# KiCad board TRS80_Model_I_Jap20_E1.kicad_pcb (continued)
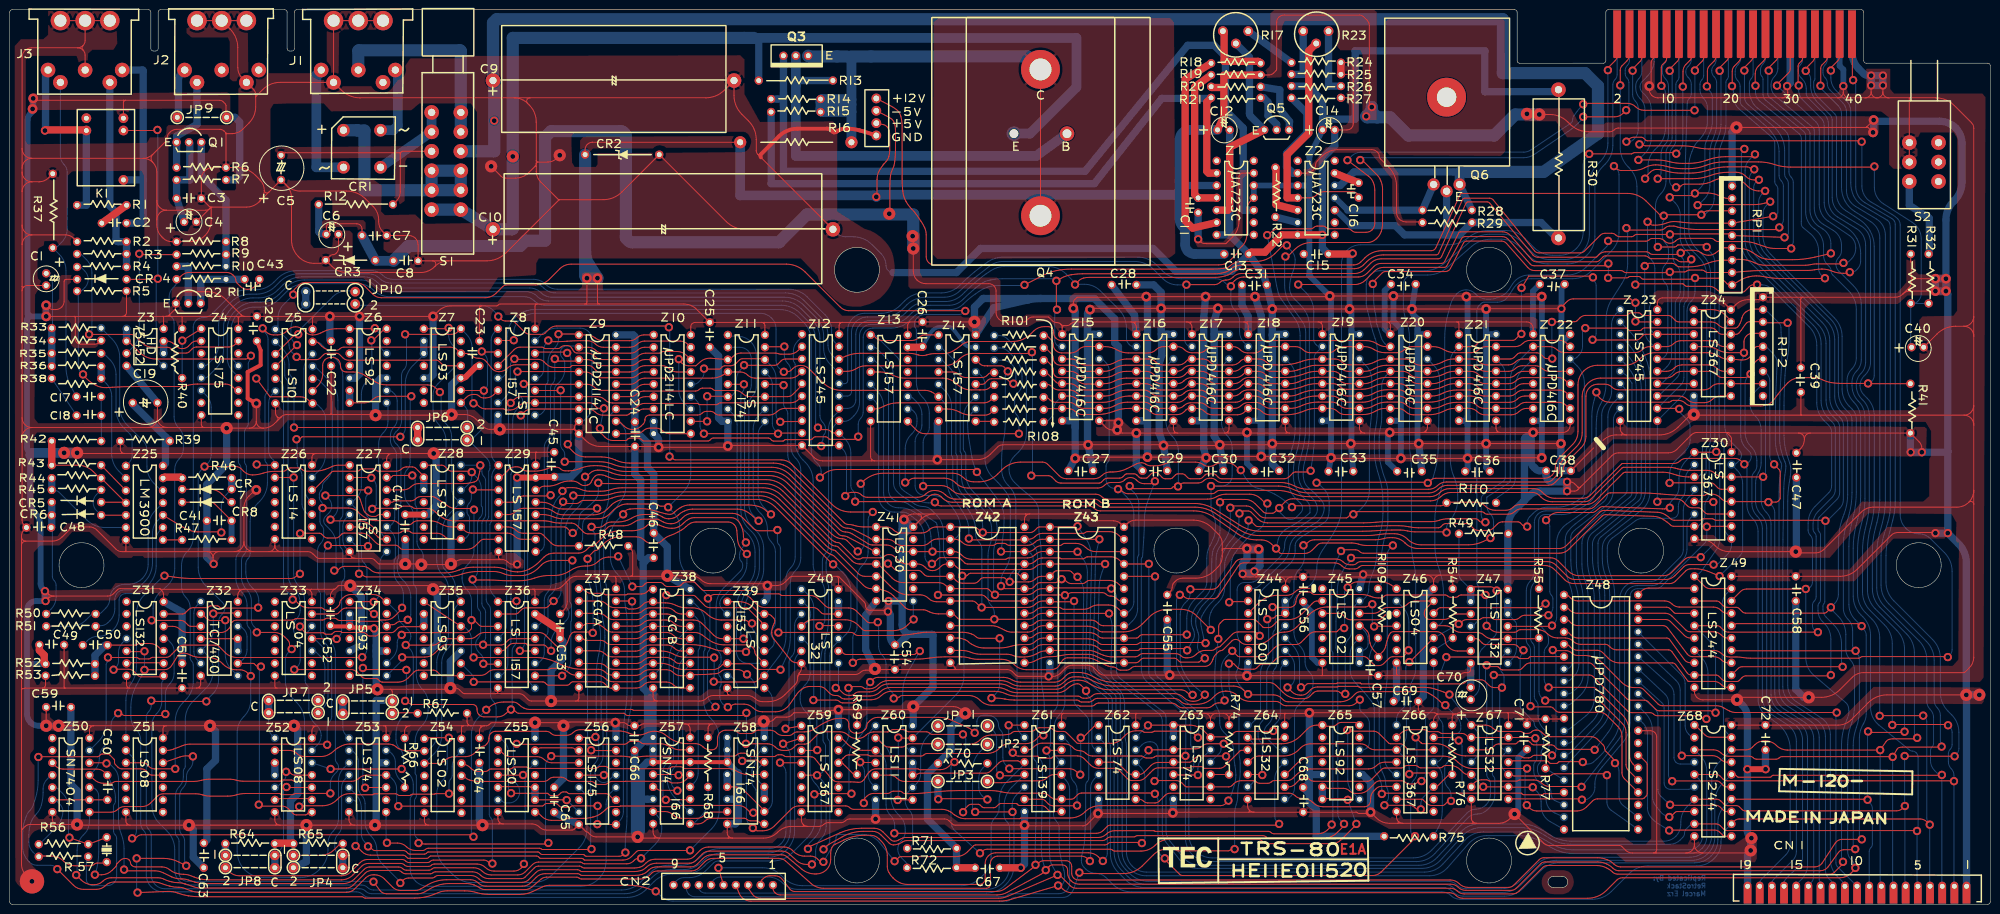
[diagram p0: board, top side]
## Routing (per net, layer and track width the routed paths; a pad name or vN(x,y) marks a point on that pad's centre or on a via; arc(x,y) is an arc through that point) (continued)
/Keyboard/KBD1: length 364.1
  Top w0.2: v2(316.99,112.24) 315.87,112.24 arc(315.57,112.3) 315.31,112.46 314.72,113.06 arc(314.31,113.33) 313.83,113.43 310.49,113.43 arc(310.11,113.35) 309.79,113.14 309.15,112.5 arc(308.77,112.25) 308.33,112.16 Z21.14 ; v2(245.74,53.71) 245.68,53.78 arc(245.61,53.83) 245.53,53.84 232.47,53.84 arc(232.2,53.79) 231.98,53.64 arc(231.75,53.49) 231.49,53.44 224.6,53.44 arc(224.14,53.53) 223.75,53.78 arc(223.38,54.09) 222.95,54.32 222.83,54.37 arc(222.24,54.54) 221.62,54.6 214,54.6 arc(213.9,54.62) 213.82,54.68 arc(213.73,54.74) 213.63,54.76 212.4,54.76 arc(211.53,54.58) 210.78,54.08 arc(210.03,53.58) 209.15,53.41 208.07,53.41 arc(206.89,53.32) 205.74,53.07 arc(204.58,52.81) 203.4,52.72 200.17,52.72 arc(199.16,52.85) 198.22,53.21 197.66,53.5 arc(197.32,53.71) 197.02,53.97 arc(196.71,54.23) 196.36,54.41 196.09,54.51 arc(195.44,54.69) 194.76,54.76 Z42.10 ; v2(303.25,78.58) 302.5,78.58 arc(302.25,78.63) 302.04,78.77 301.69,79.13 arc(301.5,79.25) 301.29,79.29 295.56,79.29 arc(294.69,79.22) 293.84,79 arc(292.99,78.78) 292.11,78.71 283.26,78.71 arc(282,78.68) 280.75,78.58 arc(279.5,78.49) 278.24,78.45 258.44,78.45 arc(257.39,78.66) 256.49,79.26 255.13,80.62 arc(254.83,80.82) 254.48,80.89 253.57,80.89 arc(253.24,80.83) 252.96,80.64 v2(252.7,80.38) ; v2(316.91,119.78) 318.71,119.78 arc(318.74,119.79) 318.77,119.81 arc(318.8,119.82) 318.83,119.83 321.64,119.83 arc(321.87,119.88) 322.07,120.01 322.72,120.66 arc(323.24,121) 323.85,121.13 332.29,121.13 arc(332.38,121.14) 332.45,121.19 332.71,121.46 arc(332.94,121.61) 333.2,121.66 334.78,121.66 arc(334.96,121.62) 335.11,121.52 335.39,121.24 arc(335.55,121.14) 335.73,121.1 340.81,121.1 arc(341.24,121.01) 341.6,120.77 342.26,120.11 arc(342.63,119.87) 343.06,119.78 Z24.2 349.65,119.78 arc(350.48,119.61) 351.18,119.14 arc(351.88,118.68) 352.71,118.51 354.56,118.51 arc(354.84,118.57) 355.08,118.73 arc(355.27,118.96) 355.44,119.21 355.55,119.42 arc(355.77,119.92) 355.93,120.44 355.99,120.67 arc(356.3,121.35) 356.83,121.88 356.91,121.93 arc(357.67,122.29) 358.51,122.42 360.12,122.42 arc(360.19,122.41) 360.25,122.37 RP2.2
  Bottom w0.2: v2(316.91,119.78) 316.91,112.37 arc(316.92,112.32) 316.95,112.27 v2(316.99,112.24) ; RP2.2 360.55,122.32 arc(360.79,122.27) 360.98,122.14 363.62,119.5 arc(363.89,119.11) 363.98,118.64 arc(363.99,118.13) 364.01,117.62 364.11,115.51 arc(364.17,113.18) 364.1,110.84 363.86,106.37 arc(363.76,104.03) 363.73,101.69 363.73,95.65 arc(363.83,94.27) 364.13,92.92 364.37,92.12 arc(364.55,91.59) 364.76,91.08 364.81,90.97 arc(364.95,90.56) 365,90.13 arc(364.98,89.68) 364.93,89.24 364.79,88.28 arc(364.63,86.88) 364.56,85.48 364.4,75.01 arc(364.37,72.66) 364.36,70.32 364.36,44.77 arc(364.85,42.82) 366.2,41.34 371.29,37.94 arc(372.64,36.46) 373.12,34.52 373.12,7.05 arc(373.32,6.07) 373.87,5.24 374.34,4.77 arc(374.55,4.46) 374.62,4.1 CN1.12 ; v2(245.74,53.71) 245.74,53.98 arc(245.69,54.23) 245.55,54.44 245.41,54.58 arc(245.37,54.63) 245.36,54.69 arc(245.36,54.76) 245.35,54.82 244.85,57.12 arc(244.76,57.68) 244.73,58.25 arc(244.8,58.8) 245,59.32 245.36,59.96 arc(246.07,61.05) 246.92,62.03 247.75,62.86 arc(248.17,63.36) 248.51,63.93 arc(248.72,64.55) 248.79,65.2 248.79,70.36 arc(248.92,71.36) 249.3,72.29 250.13,73.77 arc(250.48,74.29) 250.89,74.76 arc(251.3,75.23) 251.64,75.75 251.97,76.35 arc(252.44,77.53) 252.6,78.8 252.6,80.21 arc(252.61,80.28) 252.65,80.33 v2(252.7,80.38) ; v2(303.25,78.58) 303.25,78.62 arc(303.24,78.65) 303.22,78.68 302.82,79.09 arc(302.5,79.57) 302.38,80.13 302.38,83.34 arc(302.52,83.89) 302.9,84.31 306.88,86.96 arc(307.22,87.33) 307.34,87.82 307.34,108.91 arc(307.09,110.15) 306.39,111.21 Z21.14
/Keyboard/KBD2: length 361.2
  Top w0.2: RP2.5 360.27,114.73 arc(360.24,114.74) 360.21,114.75 359.33,114.75 arc(358.86,114.66) 358.47,114.4 358.44,114.37 arc(358.2,114) 358.11,113.57 arc(358.03,113.14) 357.78,112.77 357.52,112.5 arc(357.14,112.22) 356.7,112.03 arc(356.23,111.95) 355.75,111.95 354.07,112.12 arc(353.69,112.15) 353.31,112.16 352.93,112.16 arc(352.2,112.26) 351.52,112.57 351.14,112.81 arc(350.06,113.29) 348.9,113.46 338.08,113.46 arc(336.38,113.12) 334.95,112.16 arc(333.51,111.2) 331.82,110.86 326.31,110.86 arc(324.76,110.56) 323.45,109.68 arc(322.58,108.38) 322.27,106.83 322.27,97.22 arc(321.99,95.79) 321.18,94.59 318.36,91.76 arc(317.82,90.95) 317.62,89.99 317.62,89.88 arc(317.45,89.02) 316.96,88.28 arc(316.23,87.8) 315.37,87.62 293.06,87.62 arc(292.43,87.5) 291.89,87.14 v2(291.41,86.66) 291.34,86.73 arc(291.25,86.79) 291.15,86.81 268.73,86.81 arc(268.66,86.8) 268.6,86.76 v2(268.55,86.71) ; Z42.11 195.56,52.22 arc(196.57,52.12) 197.55,51.82 arc(198.52,51.53) 199.53,51.43 204.92,51.43 arc(205.6,51.36) 206.25,51.15 arc(206.9,50.94) 207.57,50.87 208.5,50.87 arc(209.76,51.03) 210.94,51.49 211.41,51.74 arc(212.11,52.02) 212.86,52.11 213.57,52.11 arc(213.63,52.13) 213.69,52.17 arc(213.74,52.2) 213.81,52.22 221.66,52.22 arc(222.48,52.12) 223.26,51.86 arc(224.03,51.51) 224.82,51.21 224.85,51.19 arc(225.69,50.97) 226.56,50.9 231.28,50.9 arc(231.71,50.98) 232.08,51.23 arc(232.44,51.47) 232.87,51.56 239.62,51.56 arc(240.18,51.44) 240.66,51.12 arc(241.14,50.8) 241.71,50.69 242.1,50.69 arc(243.03,50.88) 243.81,51.4 243.86,51.45 arc(244.71,52.02) 245.7,52.22 246.93,52.22 arc(247.38,52.31) 247.76,52.56 247.93,52.72 arc(248.12,52.86) 248.36,52.9 arc(248.59,52.95) 248.79,53.08 251.23,55.52 arc(251.79,55.89) 252.45,56.03 255.78,56.03 arc(255.96,55.99) 256.12,55.89 256.25,55.76 arc(256.26,55.75) 256.26,55.73 arc(256.26,55.72) 256.27,55.71 256.73,55.25 arc(256.77,55.22) 256.82,55.21 v2(256.87,55.21)
  Bottom w0.2: v2(291.41,86.66) 291.88,86.96 arc(292.27,87.33) 292.5,87.81 292.92,89.3 arc(293.36,91.35) 293.54,93.44 293.84,107.82 arc(293.54,109.48) 292.61,110.89 Z20.14 ; v2(256.87,55.21) 256.77,55.31 arc(256.69,55.43) 256.66,55.56 256.66,62.02 arc(256.73,62.87) 256.93,63.7 arc(257.28,64.46) 257.82,65.11 262.92,69.86 arc(263.83,71.15) 264.16,72.71 264.16,73.76 arc(264.27,74.36) 264.6,74.87 arc(265.07,75.3) 265.59,75.67 270.03,78.45 arc(270.57,78.93) 270.91,79.56 arc(271.08,80.29) 271.14,81.04 271.14,82.68 arc(270.84,84.22) 269.96,85.53 268.86,86.63 arc(268.77,86.69) 268.67,86.71 v2(268.55,86.71) ; CN1.13 372.12,4.39 arc(372.09,4.56) 371.99,4.71 arc(371.89,4.86) 371.85,5.03 371.85,34.26 arc(371.37,36.21) 370.02,37.68 365.44,40.71 arc(364.09,42.19) 363.6,44.13 363.6,84.86 arc(363.67,86.75) 363.89,88.64 364.12,90.06 arc(364.11,90.51) 363.96,90.93 arc(363.75,91.34) 363.58,91.77 363.28,92.67 arc(362.95,94.02) 362.84,95.4 362.84,100.55 arc(362.86,102.89) 362.94,105.23 363.19,111.34 arc(363.15,111.89) 362.96,112.41 arc(362.67,112.9) 362.31,113.32 361.16,114.48 arc(360.91,114.64) 360.61,114.7 RP2.5
/Keyboard/KBD3: length 334.5
  Top w0.2: v2(250.82,81.55) 251.01,81.74 arc(251.22,81.88) 251.47,81.93 254.16,81.93 arc(254.83,81.8) 255.4,81.42 256.86,79.97 arc(257.4,79.6) 258.05,79.47 274.65,79.47 arc(274.81,79.5) 274.95,79.6 275.37,80.01 arc(275.58,80.16) 275.84,80.21 v2(276.12,80.21) 276.4,80.49 arc(276.71,80.69) 277.08,80.77 302.36,80.77 arc(302.71,80.7) 303.01,80.5 arc(303.3,80.3) 303.65,80.23 307.96,80.23 arc(308.68,80.37) 309.28,80.78 arc(309.89,81.18) 310.6,81.32 324.51,81.32 arc(325.14,81.45) 325.68,81.81 328.17,84.31 arc(328.53,84.54) 328.95,84.63 334.46,84.63 arc(336.8,84.57) 339.13,84.41 340.19,84.31 arc(342.52,84.15) 344.86,84.09 348.16,84.09 arc(348.34,84.13) 348.5,84.23 arc(348.65,84.34) 348.84,84.37 349.72,84.37 arc(350.72,84.17) 351.56,83.61 351.83,83.34 arc(352.4,82.96) 353.08,82.82 361.24,82.82 arc(361.31,82.81) 361.36,82.77 v2(361.41,82.72) 362.97,82.72 arc(363.2,82.77) 363.4,82.9 363.7,83.2 arc(363.79,83.34) 363.83,83.51 363.83,88.93 arc(363.78,89.18) 363.64,89.39 362.6,90.43 arc(362.59,90.44) 362.58,90.47 v2(362.58,90.49) ; Z42.13 209.23,49.68 arc(209.91,49.76) 210.55,50 211.16,50.31 arc(212.38,50.77) 213.68,50.92 213.96,50.92 arc(215,50.98) 216.03,51.16 arc(217.05,51.34) 218.09,51.4 221.71,51.4 arc(222.48,51.31) 223.2,51.04 arc(223.91,50.69) 224.63,50.38 225.27,50.12 arc(226.46,49.77) 227.7,49.65 228.94,49.65 arc(228.95,49.65) 228.97,49.66 arc(228.98,49.67) 229,49.68 231.45,49.68 arc(231.75,49.74) 232,49.9 232.47,50.37 arc(232.74,50.55) 233.05,50.62 239.28,50.62 arc(239.64,50.54) 239.95,50.34 240.36,49.93 arc(240.5,49.84) 240.66,49.8 244.31,49.8 arc(244.41,49.82) 244.5,49.88 245.07,50.46 arc(245.22,50.56) 245.4,50.59 v2(245.59,50.59)
  Bottom w0.2: v2(361.41,82.72) 362.06,82.07 arc(362.54,81.36) 362.71,80.51 362.71,43.62 arc(363.2,41.69) 364.56,40.22 368.87,37.41 arc(370.22,35.95) 370.71,34.01 370.71,5.74 arc(370.57,5.03) 370.17,4.43 369.69,3.95 arc(369.64,3.88) 369.62,3.79 CN1.14 ; v2(362.58,90.49) 362.58,90.53 arc(362.58,90.57) 362.56,90.6 362.14,91.01 arc(361.81,91.51) 361.69,92.09 361.69,107.67 arc(361.55,108.42) 361.12,109.05 360.64,109.53 arc(360.54,109.6) 360.42,109.62 RP2.7 ; v2(245.59,50.59) 245.59,50.72 arc(245.57,50.83) 245.5,50.93 244.5,51.94 arc(244.2,52.39) 244.09,52.91 arc(244.12,53.48) 244.22,54.04 244.28,54.31 arc(244.35,55.13) 244.19,55.94 244.03,56.4 arc(243.79,57.31) 243.71,58.25 243.71,58.26 arc(243.83,59.17) 244.18,60.01 244.61,60.74 arc(244.85,61.11) 245.13,61.47 arc(245.43,61.8) 245.74,62.12 246.96,63.34 arc(247.39,63.88) 247.68,64.5 arc(247.85,65.18) 247.9,65.87 247.9,70.97 arc(247.97,71.76) 248.16,72.54 arc(248.48,73.26) 248.93,73.91 249.11,74.12 arc(249.75,74.99) 250.27,75.93 250.31,76.03 arc(250.69,77.14) 250.82,78.3 v2(250.82,81.55) ; Z19.14 278.64,110.89 arc(279.58,109.48) 279.91,107.82 279.91,102.9 arc(279.84,100.86) 279.65,98.82 arc(279.46,96.79) 279.4,94.75 279.4,85.11 arc(279.03,83.23) 277.96,81.64 276.67,80.35 arc(276.51,80.24) 276.32,80.21 v2(276.12,80.21)
/Keyboard/KBD4: length 330.9
  Top w0.2: v2(241.96,52.24) 241.78,52.42 arc(241.58,52.55) 241.35,52.6 232.46,52.6 arc(232.37,52.58) 232.28,52.52 232.09,52.33 arc(231.96,52.25) 231.81,52.22 Z43.14 224.71,52.22 arc(224.27,52.3) 223.89,52.55 arc(223.53,52.85) 223.12,53.08 222.97,53.15 arc(222.36,53.34) 221.73,53.41 212.27,53.41 arc(211.49,53.25) 210.83,52.81 arc(210.17,52.37) 209.39,52.22 Z42.14 ; v2(360.32,87.93) 360.31,87.92 arc(360.3,87.91) 360.28,87.9 Z30.14 352.1,87.9 arc(351.23,88.08) 350.48,88.58 arc(349.73,89.07) 348.85,89.25 345.1,89.25 arc(343.92,89.33) 342.77,89.57 342.33,89.69 arc(341.62,89.84) 340.9,89.88 331.67,89.88 arc(331.48,89.85) 331.32,89.74 324.88,83.3 arc(324.33,82.93) 323.67,82.8 316.99,82.8 arc(315.75,83.05) 314.69,83.75 314.32,84.13 arc(313.68,84.55) 312.92,84.7 296.16,84.7 arc(295.04,84.48) 294.08,83.84 arc(293.12,83.2) 291.99,82.98 269.13,82.98 arc(267.5,83.03) 265.88,83.19 264.57,83.37 arc(264.26,83.4) 263.95,83.41 263.64,83.41 arc(262.78,83.24) 262.05,82.75 260.91,81.61 arc(260.89,81.58) 260.88,81.54 v2(260.88,81.5) 260.84,81.5 arc(260.81,81.5) 260.78,81.48 259.93,80.63 arc(259.72,80.48) 259.47,80.44 258.3,80.44 arc(257.92,80.51) 257.59,80.73 255.89,82.43 arc(254.95,83.06) 253.84,83.28 249.71,83.28 arc(249.33,83.2) 249.01,82.99 v2(248.71,82.7)
  Bottom w0.2: v2(241.96,52.24) 243.18,54.39 arc(243.39,54.9) 243.46,55.45 arc(243.4,56.01) 243.22,56.55 243.14,56.72 arc(242.9,57.44) 242.82,58.19 242.82,58.38 arc(242.92,59.31) 243.21,60.2 243.23,60.25 arc(243.72,61.12) 244.36,61.88 245.81,63.33 arc(246.39,64.09) 246.76,64.98 arc(246.95,65.94) 247.01,66.92 247.01,70.37 arc(247.04,71.26) 247.14,72.16 arc(247.36,73.01) 247.77,73.79 247.92,74.01 arc(248.29,74.66) 248.53,75.36 arc(248.67,76.1) 248.71,76.85 v2(248.71,82.7) ; Z18.14 263.14,111.14 arc(263.89,110.02) 264.16,108.69 264.16,98.05 arc(263.98,95.8) 263.46,93.62 arc(262.94,91.43) 262.76,89.19 262.76,87.05 arc(263.14,85.14) 264.22,83.52 265.28,82.47 arc(265.58,82.02) 265.68,81.49 arc(265.58,80.96) 265.28,80.51 264.4,79.63 arc(263.85,79.27) 263.21,79.14 arc(262.56,79.27) 262.01,79.63 261.14,80.51 arc(260.95,80.79) 260.88,81.13 v2(260.88,81.5) ; CN1.15 367.12,3.88 arc(367.15,4.04) 367.25,4.17 368.28,5.21 arc(369.14,6.49) 369.44,8.01 369.44,34.02 arc(368.94,35.94) 367.58,37.38 363.81,39.75 arc(362.44,41.19) 361.95,43.11 361.95,78.21 arc(361.68,79.54) 360.93,80.66 arc(360.18,81.79) 359.92,83.12 359.92,87.23 arc(359.97,87.5) 360.12,87.73 v2(360.32,87.93) 360.56,88.17 arc(360.74,88.44) 360.81,88.75 360.81,103.67 arc(360.74,104) 360.55,104.29 RP2.9
/Keyboard/KBD5: length 337.8
  Top w0.2: RP2.8 Z24.10 351.21,107.08 arc(350.38,106.91) 349.68,106.44 arc(348.98,105.98) 348.15,105.81 330.64,105.81 arc(329.88,105.96) 329.23,106.39 arc(328.59,106.83) 327.82,106.98 326.37,106.98 arc(325.42,106.79) 324.62,106.25 arc(324.09,105.45) 323.9,104.51 323.9,96.28 arc(323.64,94.99) 322.91,93.9 319.88,90.87 arc(319.41,90.17) 319.25,89.35 arc(319.09,88.53) 318.62,87.83 317.53,86.74 arc(316.9,86.32) 316.17,86.18 295.45,86.18 arc(294.42,85.97) 293.55,85.39 arc(292.67,84.81) 291.64,84.6 266.94,84.6 arc(265.34,84.78) 263.83,85.31 arc(262.31,85.84) 260.72,86.02 v2(246.86,86.02) ; Z42.15 209.29,54.76 arc(210,54.9) 210.59,55.29 210.63,55.33 arc(211.27,55.76) 212.02,55.91 221.65,55.91 arc(222.24,55.85) 222.81,55.7 222.88,55.67 arc(223.34,55.45) 223.73,55.12 arc(224.14,54.85) 224.62,54.76 Z43.15 231.57,54.76 arc(231.73,54.79) 231.87,54.88 232.22,55.23 arc(232.46,55.39) 232.74,55.44 241.84,55.44 arc(241.86,55.45) 241.87,55.45 v2(241.88,55.47)
  Bottom w0.2: CN1.16 364.62,4.28 arc(364.73,4.81) 365.03,5.26 367.81,8.04 arc(368.26,8.72) 368.43,9.53 368.43,33.76 arc(367.93,35.69) 366.57,37.14 362.91,39.48 arc(361.55,40.93) 361.06,42.86 361.06,77.4 arc(360.76,78.89) 359.92,80.16 arc(359.07,81.42) 358.77,82.92 358.77,86.67 arc(358.92,87.74) 359.34,88.73 arc(359.77,89.72) 359.92,90.79 359.92,97.59 arc(359.62,99.08) 358.77,100.35 358.66,100.46 arc(357.9,101.6) 357.63,102.95 357.63,103.83 arc(357.74,104.37) 358.04,104.82 RP2.8 ; v2(241.88,55.47) 241.88,58.8 arc(242.3,60.88) 243.48,62.65 245.2,64.37 arc(245.79,65.26) 246,66.3 246,71.13 arc(246.03,71.77) 246.12,72.41 arc(246.3,73.03) 246.56,73.61 246.67,73.81 arc(247.06,74.58) 247.4,75.38 247.43,75.46 arc(247.69,76.36) 247.78,77.3 247.78,78.26 arc(247.66,79.24) 247.32,80.17 arc(246.98,81.1) 246.86,82.08 v2(246.86,86.02) 249.08,86.02 arc(249.89,86.19) 250.58,86.65 arc(251.04,87.33) 251.2,88.15 251.2,93.87 arc(250.92,95.28) 250.12,96.48 arc(249.33,97.67) 249.04,99.08 249.04,109.56 arc(249.24,110.55) 249.81,111.4 Z17.14
/Keyboard/KBD6: length 341.9
  Top w0.2: RP2.6 359.8,112.16 arc(359.34,112.07) 358.96,111.81 358.27,111.12 arc(357.87,110.53) 357.73,109.82 v2(357.73,109.06) 357.38,108.71 arc(356.98,108.44) 356.52,108.35 351.87,108.35 arc(351.42,108.44) 351.04,108.69 350.4,109.33 arc(350.08,109.54) 349.7,109.62 Z24.6 343.68,109.62 arc(342.77,109.44) 342,108.93 arc(341.23,108.41) 340.32,108.23 326.97,108.23 arc(325.5,107.94) 324.26,107.11 arc(323.43,105.87) 323.14,104.4 323.14,96.97 arc(322.83,95.42) 321.95,94.11 319.09,91.25 arc(318.61,90.52) 318.44,89.67 arc(318.27,88.81) 317.78,88.09 316.99,87.29 arc(316.51,86.97) 315.95,86.86 295.22,86.86 arc(294.24,86.67) 293.41,86.11 arc(292.58,85.56) 291.6,85.36 266.81,85.36 arc(265.34,85.54) 263.97,86.06 arc(262.59,86.58) 261.13,86.76 249,86.76 arc(248.43,86.87) 247.95,87.19 arc(247.47,87.51) 246.91,87.62 246.55,87.62 arc(245.92,87.5) 245.39,87.14 arc(244.85,86.78) 244.22,86.66 241.29,86.66 arc(240.83,86.57) 240.43,86.3 v2(240.08,85.95) 239.29,85.95 arc(239.17,85.92) 239.08,85.86 238.85,85.63 arc(238.69,85.53) 238.51,85.49 231.06,85.49 arc(230.71,85.56) 230.41,85.76 v2(230.15,86.02) ; Z43.16 224.77,57.3 arc(224.22,57.4) 223.76,57.72 223.61,57.86 arc(223.32,58.1) 222.98,58.29 arc(222.62,58.41) 222.24,58.45 212.12,58.45 arc(211.37,58.3) 210.73,57.87 210.73,57.87 arc(210.1,57.45) 209.34,57.3 Z42.16
  Bottom w0.2: v2(240.08,85.95) 240.12,85.99 arc(240.15,86.03) 240.16,86.08 240.16,93.22 arc(239.82,94.88) 238.88,96.28 arc(237.95,97.69) 237.62,99.35 237.62,109.56 arc(237.81,110.55) 238.38,111.4 Z16.14 ; Z43.16 229.36,57.3 arc(229.71,57.37) 230.01,57.57 230.76,58.31 arc(231.51,59.44) 231.77,60.76 231.77,71.34 arc(231.81,71.51) 231.9,71.65 arc(231.99,71.79) 232.03,71.95 232.03,82.38 arc(231.78,83.61) 231.09,84.65 230.3,85.44 arc(230.19,85.61) 230.15,85.81 v2(230.15,86.02) ; v2(357.73,109.06) 357.17,108.5 arc(356.76,107.88) 356.61,107.15 356.61,97.1 arc(356.93,95.53) 357.82,94.19 arc(358.71,92.85) 359.03,91.28 359.03,90.15 arc(358.89,89.48) 358.52,88.92 arc(358.14,88.36) 358.01,87.69 358.01,82.44 arc(358.29,81.03) 359.09,79.84 arc(359.89,78.64) 360.17,77.23 360.17,42.48 arc(360.66,40.54) 362.01,39.07 365.31,36.91 arc(366.66,35.44) 367.15,33.5 367.15,10.8 arc(366.97,9.87) 366.44,9.09 362.5,5.14 arc(362.22,4.72) 362.12,4.23 CN1.17
/Keyboard/KBD7: length 347.9
  Top w0.2: Z24.4 348.64,114.7 arc(349.84,114.54) 350.96,114.08 arc(352.08,113.61) 353.29,113.46 v2(356.39,113.46) 356.39,115.67 arc(356.52,116.35) 356.91,116.92 arc(357.48,117.31) 358.16,117.44 359.95,117.44 arc(360.08,117.42) 360.2,117.34 RP2.4 ; v2(227.76,85.39) 227.99,85.39 arc(228.2,85.35) 228.38,85.23 228.69,84.92 arc(229.21,84.57) 229.82,84.45 247.04,84.45 arc(247.48,84.54) 247.86,84.79 arc(248.24,85.05) 248.69,85.13 260.37,85.13 arc(262.07,84.97) 263.7,84.49 arc(265.33,84) 267.03,83.84 291.87,83.84 arc(292.95,84.05) 293.86,84.66 arc(294.78,85.28) 295.86,85.49 313.24,85.49 arc(314.12,85.31) 314.87,84.82 315.19,84.5 arc(316.28,83.77) 317.58,83.51 323.22,83.51 arc(324.11,83.69) 324.86,84.19 331.22,90.55 arc(331.35,90.64) 331.52,90.67 341.98,90.67 arc(342.66,90.81) 343.24,91.19 arc(343.82,91.58) 344.5,91.71 354.42,91.71 arc(355.2,91.56) 355.86,91.12 v2(356.46,90.52) ; Z42.17 209.37,59.84 arc(210.14,59.99) 210.8,60.43 210.83,60.46 arc(211.52,60.92) 212.33,61.08 215.61,61.08 arc(215.88,61.03) 216.1,60.88 arc(216.33,60.73) 216.59,60.67 220.67,60.67 arc(221.45,60.79) 222.17,61.12 arc(222.89,61.45) 223.67,61.56 225.83,61.56 arc(226.96,61.34) 227.91,60.7 228.7,59.91 arc(228.78,59.85) 228.88,59.84 Z43.17
  Bottom w0.2: v2(356.39,113.46) 356.31,113.38 arc(356.25,113.29) 356.23,113.2 356.23,112.65 arc(356.17,112.31) 355.98,112.03 arc(355.79,111.75) 355.73,111.42 355.73,96.41 arc(356.01,95) 356.8,93.81 357.43,93.18 arc(357.77,92.68) 357.88,92.09 arc(357.77,91.51) 357.43,91.01 357.11,90.69 arc(356.93,90.56) 356.7,90.52 v2(356.46,90.52) 356.73,90.25 arc(356.93,89.96) 357,89.61 357,82.15 arc(357.29,80.66) 358.14,79.39 arc(358.98,78.13) 359.28,76.63 359.28,42.21 arc(359.76,40.25) 361.09,38.73 363.06,37.33 arc(364.25,36.27) 365.14,34.95 arc(365.7,33.45) 365.88,31.87 365.88,12.4 arc(365.64,11.17) 364.94,10.13 360.01,5.19 arc(359.72,4.76) 359.62,4.25 CN1.18 ; Z43.17 229.3,59.84 arc(229.59,59.89) 229.84,60.06 230.31,60.53 arc(230.83,61.31) 231.01,62.22 231.01,80.14 arc(230.61,82.15) 229.47,83.85 228,85.33 arc(227.93,85.37) 227.85,85.39 v2(227.76,85.39) 227.68,85.47 arc(227.59,85.53) 227.48,85.55 226.99,85.55 arc(226.42,85.67) 225.94,85.98 225.84,86.09 arc(225.44,86.69) 225.3,87.4 225.3,90.12 arc(225.38,90.54) 225.61,90.89 arc(225.85,91.24) 225.93,91.65 225.93,109.78 arc(225.75,110.69) 225.23,111.46 224.76,111.94 arc(224.51,112.1) 224.22,112.16 Z15.14
/Video/Video Access Multiplexer/C0: length 83.2
  Top w0.2: v2(113.51,46.98) 113.5,47 arc(113.48,47.01) 113.47,47.01 Z36.10 ; v2(115.62,70.73) 111.68,70.73 arc(111.01,70.67) 110.36,70.49 arc(109.77,70.19) 109.25,69.77 108.69,69.21 arc(107.89,68.55) 107,68.04 arc(106.02,67.72) 105,67.61 103.4,67.61 arc(102.38,67.71) 101.41,68.03 arc(100.43,68.34) 99.41,68.45 96.23,68.45 arc(94.51,68.31) 92.83,67.89 arc(91.16,67.47) 89.44,67.33 73.41,67.33 arc(72.98,67.41) 72.62,67.66 72.47,67.81 arc(72.27,67.94) 72.03,67.99 v2(71.78,67.99)
  Bottom w0.2: v2(71.78,67.99) 71.77,68 arc(71.76,68.02) 71.75,68.03 71.75,71.82 arc(71.51,73.07) 70.8,74.12 Z27.7 ; v2(115.62,70.73) 115.34,70.45 arc(115.13,70.14) 115.06,69.78 115.06,62.39 arc(115.11,62.14) 115.25,61.93 arc(115.39,61.72) 115.44,61.47 115.44,58.4 arc(115.42,58.32) 115.38,58.25 arc(115.33,58.18) 115.31,58.1 115.31,50.06 arc(115.08,48.88) 114.41,47.89 v2(113.51,46.98)
/Video/Video Access Multiplexer/C1: length 72.3
  Top w0.2: v2(95.4,81.17) 95.29,81.29 arc(95.16,81.37) 95.01,81.4 91.77,81.4 arc(90.73,81.57) 89.81,82.07 89.79,82.08 arc(88.92,82.71) 88.03,83.3 87.38,83.71 arc(87.11,83.82) 86.82,83.86 84.52,83.86 arc(83.94,83.75) 83.45,83.42 arc(82.96,83.09) 82.38,82.98 79.19,82.98 arc(79.01,82.94) 78.85,82.84 arc(78.7,82.73) 78.52,82.7 Z27.13 ; v2(80.54,55.42) 80.77,55.65 arc(81.02,55.81) 81.32,55.87 93.68,55.87 arc(94.05,55.95) 94.36,56.15 94.77,56.56 arc(94.86,56.7) 94.89,56.87 v2(94.89,58.44) 95.17,58.44 arc(95.43,58.39) 95.65,58.24 96.53,57.36 arc(96.74,57.22) 96.99,57.17 Z36.3
  Bottom w0.2: v2(95.4,81.17) 95.4,72.89 arc(95.08,71.3) 94.18,69.95 94.04,69.8 arc(93.24,68.61) 92.96,67.2 92.96,67.04 arc(93.21,65.78) 93.93,64.71 arc(94.64,63.64) 94.89,62.38 v2(94.89,58.44) ; Z34.9 78.64,50.72 arc(79.37,51.81) 79.63,53.1 79.63,53.86 arc(79.75,54.45) 80.08,54.96 v2(80.54,55.42)
/Video/Video Access Multiplexer/C2: length 97.7
  Top w0.2: 107.95,54.63 103.17,54.63 arc(102.77,54.55) 102.44,54.32 101.79,53.68 arc(101.41,53.42) 100.96,53.33 97.37,53.33 arc(97.33,53.34) 97.31,53.36 v2(97.28,53.38) 89.61,53.38 arc(89.12,53.29) 88.69,53 87.42,51.73 arc(86.44,51.08) 85.28,50.84 80.73,50.84 arc(80.7,50.84) 80.67,50.82 v2(80.64,50.79) ; v2(96.7,90.29) 96.7,89.86 arc(96.67,89.43) 96.59,89.01 96.25,87.64 arc(96.14,87.38) 95.97,87.15 arc(95.74,86.97) 95.47,86.87 94.92,86.73 arc(94.07,86.58) 93.22,86.53 84.02,86.53 arc(83.18,86.36) 82.46,85.88 arc(81.74,85.4) 80.9,85.24 Z27.14
  Bottom w0.2: v2(80.64,50.79) 80.64,50.49 arc(80.59,50.21) 80.43,49.97 Z34.8 ; v2(97.28,53.38) 97.28,53.69 arc(97.34,53.97) 97.5,54.21 97.53,54.25 arc(97.72,54.53) 97.79,54.86 97.79,60.06 arc(97.69,60.56) 97.41,60.98 arc(97.13,61.4) 97.03,61.9 97.03,78.35 arc(97.13,78.84) 97.41,79.27 arc(97.69,79.69) 97.79,80.19 97.79,87.11 arc(97.69,87.61) 97.41,88.03 arc(97.13,88.45) 97.03,88.95 97.03,89.73 arc(96.98,89.94) 96.86,90.13 v2(96.7,90.29) 96.68,90.3 arc(96.67,90.31) 96.65,90.32 Z28.14
/Video/Video Access Multiplexer/C3: length 294.7
  Top w0.2: v2(97.33,49.47) 97.37,49.43 arc(97.41,49.41) 97.46,49.4 100.07,49.4 arc(100.17,49.42) 100.25,49.47 Z36.6 ; v2(94.94,88.89) 94.85,88.98 arc(94.76,89.05) 94.64,89.07 90.9,89.07 arc(90.43,89.16) 90.04,89.43 89.42,90.05 arc(89.12,90.25) 88.77,90.32 Z28.1 ; Z46.1 283.97,65.61 arc(282.9,66.13) 281.72,66.31 276.9,66.31 arc(276.16,66.16) 275.52,65.74 v2(274.95,65.17) ; v2(181.66,42.34) 182.07,42.34 arc(182.44,42.41) 182.76,42.62 182.78,42.64 arc(183.11,42.87) 183.51,42.94 197,42.94 arc(198.31,42.68) 199.43,41.94 arc(200.54,41.2) 201.85,40.94 219.56,40.94 arc(219.67,40.92) 219.77,40.85 arc(219.87,40.78) 219.99,40.76 222.28,40.76 arc(222.7,40.84) 223.05,41.08 arc(223.4,41.31) 223.81,41.4 238.69,41.4 arc(239.34,41.27) 239.89,40.9 arc(240.44,40.53) 241.08,40.41 246.02,40.41 arc(246.68,40.54) 247.24,40.91 247.26,40.93 arc(247.8,41.29) 248.45,41.42 248.79,41.42 arc(249.12,41.49) 249.4,41.68 v2(249.65,41.93) ; v2(274.22,56.81) 273.84,56.81 arc(273.48,56.74) 273.18,56.54 272.77,56.13 arc(272.68,56.07) 272.58,56.05 268.36,56.05 arc(267.6,55.9) 266.95,55.47 265.32,53.84 arc(264.88,53.54) 264.35,53.44 261.56,53.44 arc(260.65,53.25) 259.88,52.74 258.62,51.48 arc(258,51.07) 257.27,50.92 252.71,50.92 arc(252.49,50.96) 252.31,51.09 251.3,52.1 arc(251.28,52.11) 251.25,52.11 v2(251.23,52.11) ; v2(127.94,65.35) 129.78,65.35 arc(129.98,65.39) 130.15,65.5 130.57,65.92 arc(130.86,66.12) 131.21,66.19 133.7,66.19 arc(133.96,66.13) 134.19,65.98 134.59,65.58 arc(134.82,65.43) 135.08,65.37 137.31,65.37 arc(137.64,65.44) 137.92,65.63 138.39,66.1 arc(138.63,66.26) 138.91,66.31 140.5,66.31 arc(140.65,66.28) 140.78,66.2 142.26,64.71 arc(142.46,64.58) 142.69,64.53 152.36,64.53 arc(152.56,64.5) 152.73,64.38 153.07,64.04 arc(153.28,63.9) 153.53,63.85 158.04,63.85 arc(158.22,63.81) 158.38,63.71 158.54,63.54 arc(158.57,63.53) 158.61,63.52 164.54,63.52 arc(165.38,63.35) 166.1,62.87 167.55,61.42 arc(168.07,61.08) 168.68,60.95 172.44,60.95 arc(173.28,60.79) 174,60.31 176.21,58.1 arc(176.42,57.96) 176.67,57.91 178.17,57.91 arc(178.25,57.92) 178.32,57.97 v2(178.38,58.03) ; v2(95.12,66.82) 95.18,66.76 arc(95.25,66.71) 95.34,66.69 98.61,66.69 arc(99.57,66.67) 100.52,66.62 arc(101.47,66.56) 102.43,66.54 104.68,66.54 arc(106.27,66.68) 107.82,67.09 arc(109.37,67.5) 110.96,67.63 111.94,67.63 arc(113.61,67.88) 115.14,68.61 115.17,68.64 arc(116.66,69.35) 118.29,69.59 118.69,69.59 arc(119.89,69.83) 120.9,70.5 arc(121.91,71.18) 123.11,71.42 124.45,71.42 arc(124.55,71.44) 124.64,71.49 arc(124.72,71.55) 124.82,71.57 v2(125.04,71.57)
  Bottom w0.2: v2(249.65,41.93) 249.29,43.52 arc(249.01,45.11) 248.92,46.73 248.92,48.17 arc(249.22,49.68) 250.07,50.96 v2(251.23,52.11) ; v2(97.33,49.47) 97.33,50.18 arc(97.2,50.84) 96.83,51.4 96.38,51.84 arc(95.92,52.54) 95.76,53.36 95.76,53.53 arc(95.89,54.19) 96.26,54.76 arc(96.64,55.32) 96.77,55.98 96.77,59.77 arc(96.69,60.18) 96.45,60.53 arc(96.22,60.89) 96.14,61.3 96.14,64.32 arc(96,64.99) 95.63,65.55 95.39,65.79 arc(95.19,66.09) 95.12,66.44 v2(95.12,66.82) 95.63,67.33 arc(96,67.89) 96.14,68.56 96.14,78.29 arc(96.27,78.96) 96.64,79.52 arc(97.02,80.08) 97.15,80.75 97.15,81.5 arc(97.12,81.67) 97.03,81.81 arc(96.93,81.95) 96.9,82.11 96.9,85.5 arc(96.64,86.78) 95.92,87.86 94.96,88.82 arc(94.95,88.84) 94.94,88.87 v2(94.94,88.89) 94.94,87.99 arc(94.78,87.16) 94.31,86.45 93.22,85.37 arc(93.07,85.27) 92.9,85.24 Z28.12 ; v2(178.38,58.03) 178.47,57.94 arc(178.54,57.85) 178.56,57.73 178.56,53.04 arc(178.76,52.04) 179.32,51.2 arc(179.89,50.36) 180.08,49.36 180.08,45.96 arc(180.29,44.93) 180.87,44.06 181.33,43.61 arc(181.57,43.24) 181.66,42.81 v2(181.66,42.34) ; v2(274.95,65.17) 274.64,64.85 arc(274.4,64.5) 274.32,64.09 274.32,56.99 arc(274.3,56.92) 274.27,56.86 v2(274.22,56.81) ; v2(127.94,65.35) v2(125.04,71.57)
/Video/Video Access Multiplexer/C4: length 160
  Top w0.2: v2(64.29,81.5) 69.67,81.5 arc(70.68,81.3) 71.54,80.73 71.58,80.68 arc(72.35,80) 73.2,79.43 arc(74.13,79.04) 75.12,78.91 78.68,78.91 arc(79.27,78.79) 79.78,78.45 arc(80.29,78.12) 80.88,78 81.72,78 arc(82.3,78.11) 82.79,78.44 arc(83.28,78.77) 83.86,78.89 86.25,78.89 arc(87.46,78.72) 88.58,78.25 arc(89.7,77.78) 90.91,77.62 92.26,77.62 arc(92.67,77.53) 93.03,77.3 93.34,76.98 arc(94.05,76.51) 94.88,76.35 102.22,76.35 arc(103.05,76.18) 103.76,75.71 arc(104.46,75.24) 105.29,75.08 Z29.10 ; v2(65.23,32.81) 65.16,32.87 arc(65.09,32.92) 65.01,32.94 37.04,32.94 arc(36.33,32.87) 35.64,32.68 33.62,31.9 arc(32.93,31.71) 32.22,31.64 Z51.13